# KiCad board UA4EFI.kicad_pcb (continued)
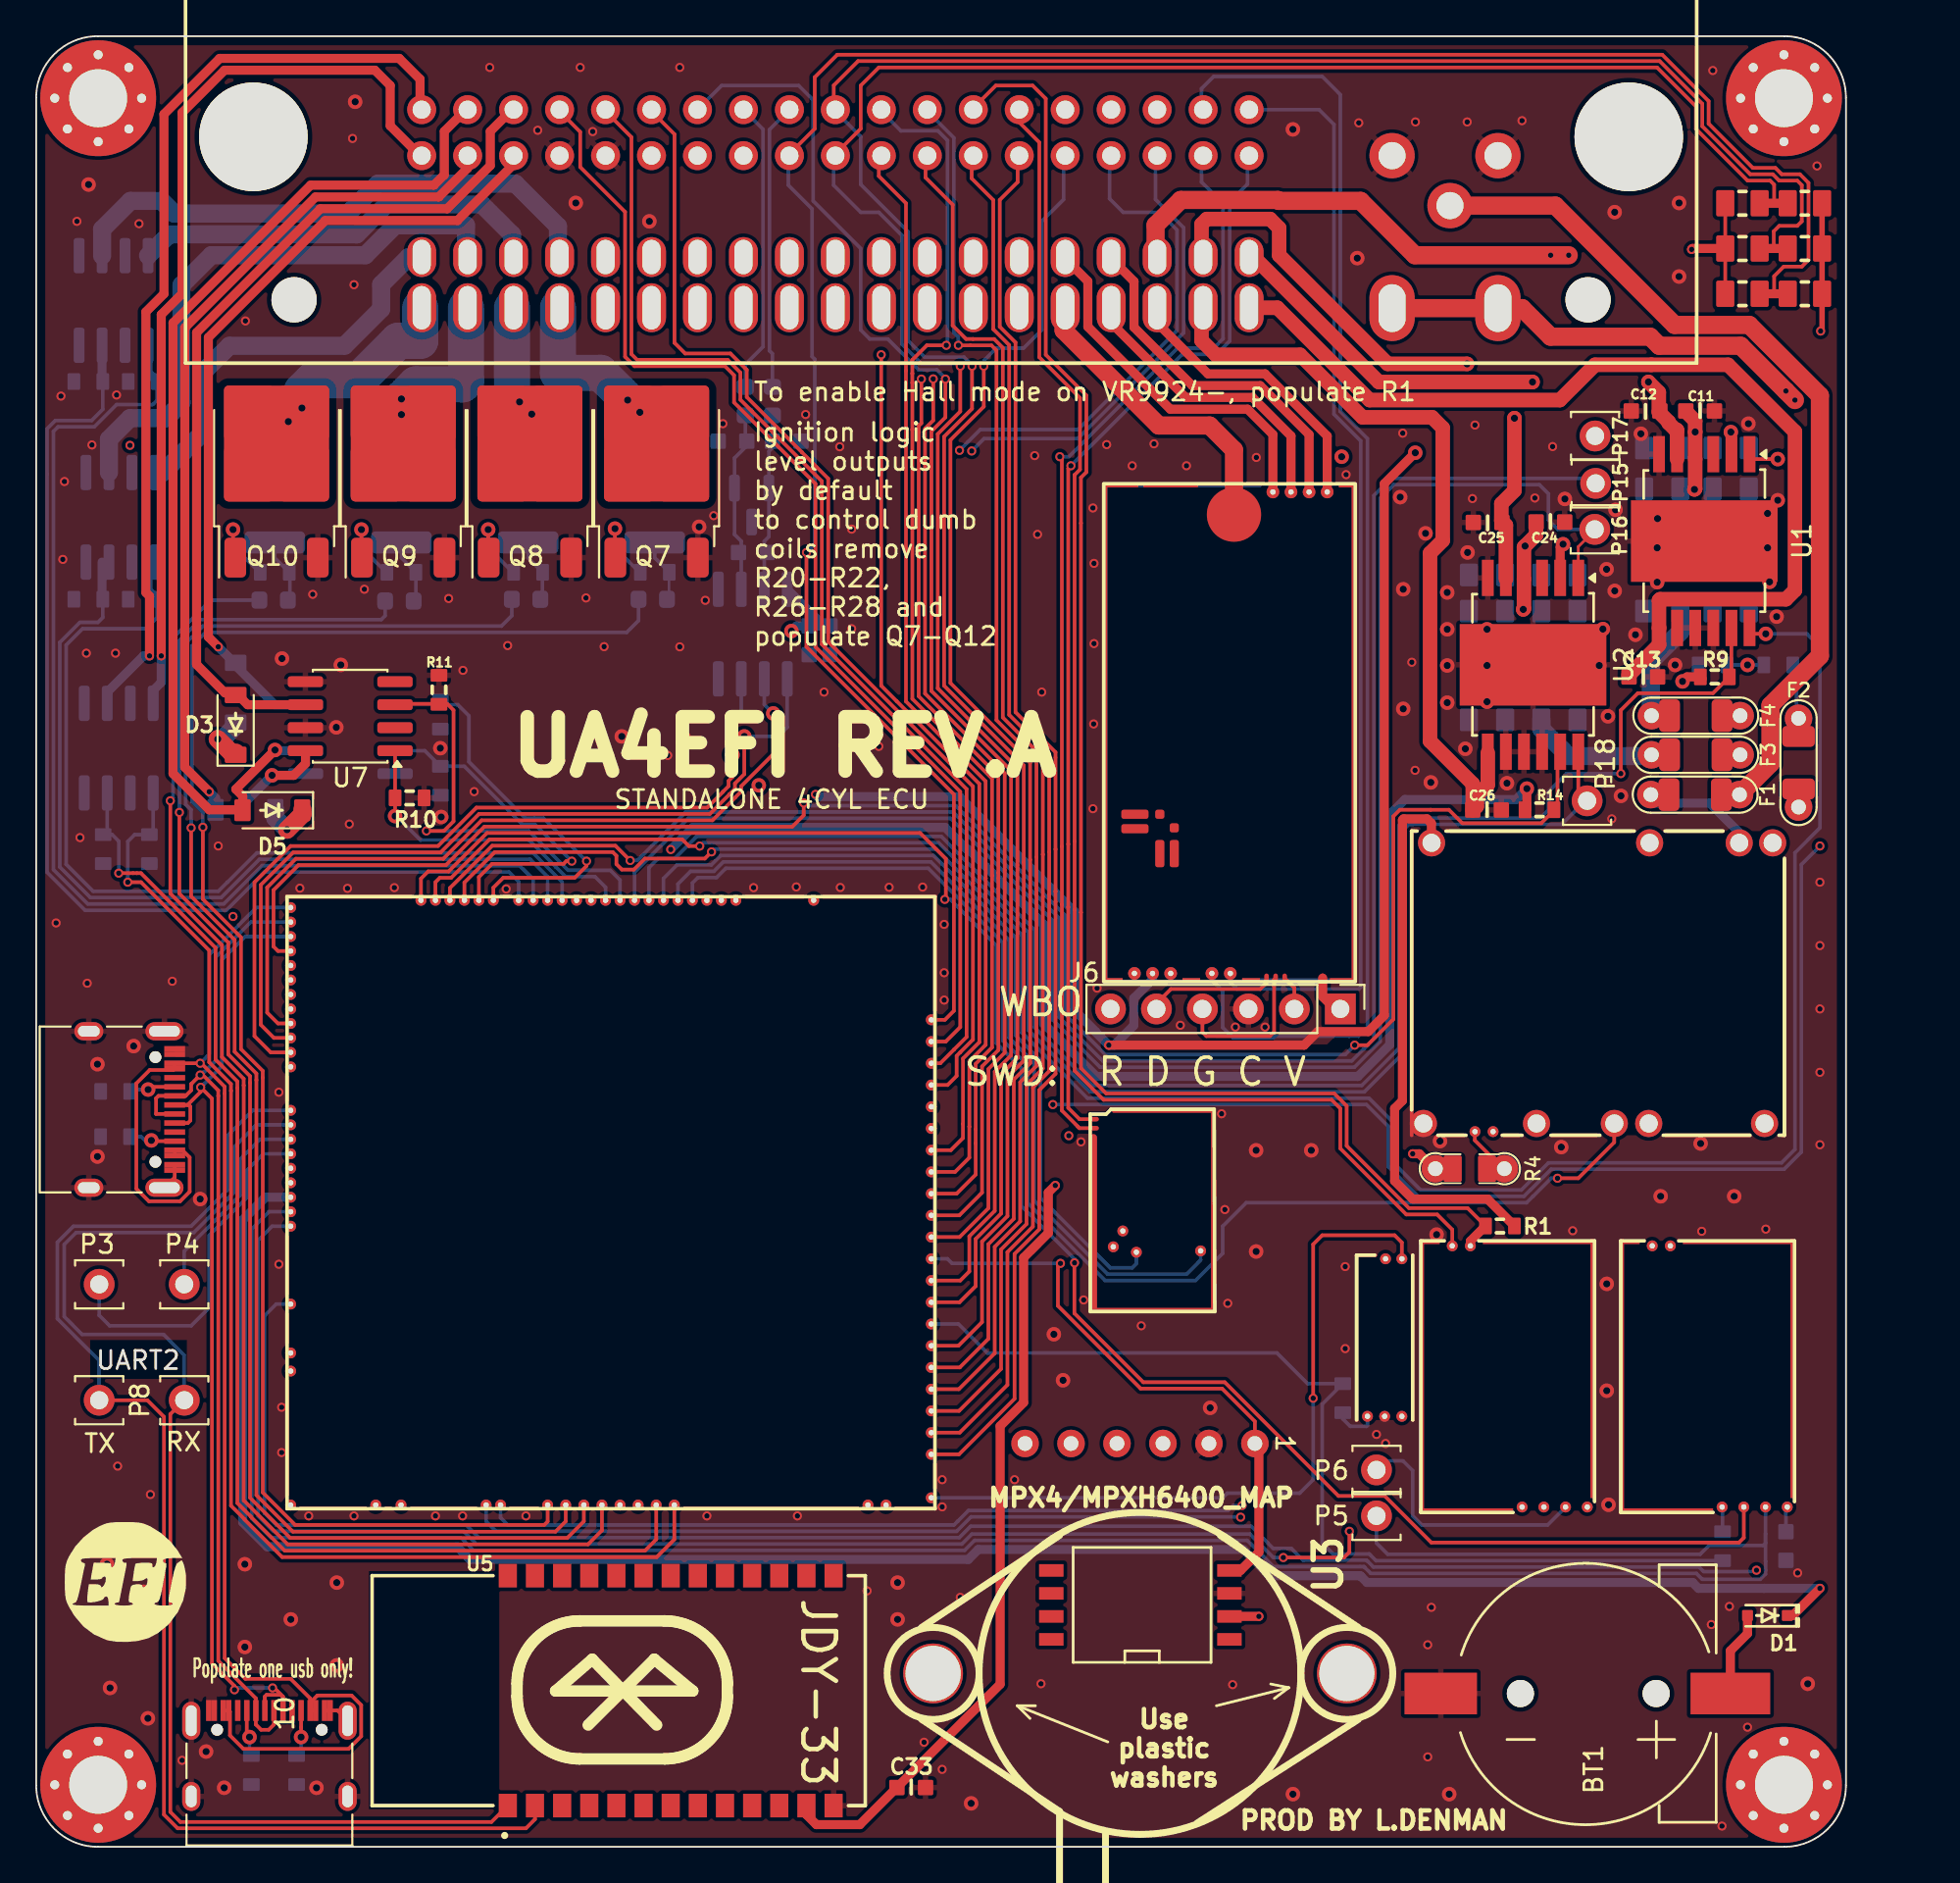
[diagram p0: board, top side]
## Footprints (pads in the part's own frame, mm; a bottom-side part is the same pattern mirrored in y, then rotated) (continued)
  rect 14.275x0.25 smd far side: G(7.162,9.6)
  rect 15.1x0.25 smd: G(7.575,0.15) G(7.575,0.15) G(7.575,0.15)
  rect 15.1x0.25 smd far side: G(7.575,0.15)
  rect 0.25x5.175 smd: G(15,2.612) G(15,2.612) G(15,2.612)
  rect 0.25x5.175 smd far side: G(15,2.612)
wbo
  round 0.7 hole 0.3: E1(27.15,1.65) E2(27.15,4.65) E3(27.15,3.65) E4(27.15,2.65) W1(0.559,11.3) W2(0.559,10.3) W3(0.559,7.004) W4(0.559,8.02) W9(0.559,12.3)
  round 3 smd: E5(25.9,6.8)
  rect 0.25x3 smd: E6(27.525,10.3)
  rect 0.25x1.1 smd: G(0.175,13.5) G(0.175,13.5) G(0.175,13.5) G(0.175,13.5) G(0.175,13.5)
  rect 0.25x1.1 smd far side: G(0.175,13.5)
  rect 0.25x0.98 smd: G(0.175,9.16) G(0.175,9.16) G(0.175,9.16) G(0.175,5.86)
  rect 0.25x0.98 smd far side: G(0.175,9.16)
  rect 0.25x6.3 smd far side: G(0.175,3.2)
  rect 0.25x6.3 smd: G(0.175,3.2) G(0.175,3.2)
  rect 0.25x1.45 smd: G(0.175,0.775)
  rect 27.6x0.25 smd: G(13.85,13.925) G(13.85,13.925) G(13.85,13.925) G(13.85,0.175) G(13.85,0.175) G(13.85,0.175)
  rect 27.6x0.25 smd far side: G(13.85,13.925) G(13.85,0.175)
  rect 0.25x1.95 smd: G(27.525,13.075)
  rect 0.25x8.75 smd far side: G(27.525,9.675)
  rect 0.25x8.75 smd: G(27.525,9.675) G(27.525,9.675)
  rect 0.25x0.95 smd: G(27.525,0.525) G(27.525,0.525) G(27.525,0.525)
  rect 0.25x0.95 smd far side: G(27.525,0.525)
  rrect 0.5x1.5 smd: J1(9.35,12.275) J_GND1(8.55,12.275)
  rrect 1.5x0.5 smd: J2(7.175,10.1) J_VCC2(7.175,10.9)
  rrect 0.5x0.5 smd: J_GND2(8.6,10.1) J_VCC1(9.35,10.9)
  rrect 0.5x0.25 smd: W5(0.3,5) W6(0.3,4.5) W7(0.3,4) W8(0.3,1.9)

## Nets
+3.3V: M8.N21 R9.2 R14.2 U1.2 U2.2
+3.3VA: C31.2 C32.2 C33.2 J7.10 J7.11 J7.12 M7.V2 M8.N15 U4.4 U5.12
+5V: M8.N22 Mr1.E4
+5VA: C27.2 M2.E1 M3.E4 M4.E4 M5.W1 M7.V1 M8.E1 M8.W2 R38.2 R39.2 R40.2 U3.3
+5VP: J7.13 J7.14 J7.15 J7.16 Mr1.V4 R1.1
+12V: F2.1 F3.1 F4.1 J7.4 J7.5 R2.2
+12V_RAW: D2.1 D3.1 D4.1 D5.1 F2.2 J7.17 J7.18 J7.19 J7.41 Mr1.V1 Mr1.V3
/12V_KEY: F1.1 J7.3
/VBAT: D1.1 M8.N17 Mr1.E1
/VBUS: J9.A4 J9.A9 J9.B4 J9.B9 J9#2.A4 J9#2.A9 J9#2.B4 J9#2.B9 M8.N1
GND: BT1.2 C1.1 C2.1 C3.1 C4.1 C5.1 C6.1 C7.1 C8.1 C9.1 C10.1 C11.1 C12.1 C13.1 C14.1 C15.1 C16.1 C17.1 C18.1 C19.1 C20.1 C21.1 C22.1 C23.1 C24.1 C25.1 C26.1 C27.1 C28.1 C30.1 C31.1 C32.1 C33.1 D6.3 J6.3 J7.1 J7.2 J7.47 J7.48 J9.A1 J9.A12 J9.B1 J9.B12 J9.S1 J9#2.A1 J9#2.A12 J9#2.B1 J9#2.B12 J9#2.S1 M2.E2 M3.G M4.G M5.E6 M5.G M7.E1 M8.G Mr1.S1 Q7.3 Q8.3 Q9.3 Q10.3 R3.1 R7.1 R7#2.1 R8.1 R8#2.1 R10.1 R11.1 R12.1 R13.1 R15.2 R16.2 R29.1 R30.1 R31.1 R32.1 U1.6 U1.8 U1.9 U1.10 U1.13 U2.6 U2.8 U2.9 U2.10 U2.13 U3.2 U4.1 U5.13 U6.5 U6.7 U7.5 U7.7 U8.5 U8.7 U9.5 U9.7 U10.5 U10.7
GNDA: J7.29 J7.30 J7.31 J7.32 J7.33 J7.34 J7.35 J7.36 J7.37 J7.38 M8.W1 R35.1 R36.1 R37.1
/ADC3: M8.S15 R5.2 R6.2
/CAN2_RX: M7.V6 M8.E6
/CAN2_TX: M7.V5 M8.E7
/CAN+: J7.80 M5.W4 M8.W11
/CAN-: J7.81 M5.W3 M8.W12
/DC1_DIR: M8.E21 P15.1 U1.1
/DC1_DIS: M8.E8 R9.1 U1.11
/DC1_PWM: M8.E20 P17.1 U1.12
/DC2_DIR: M8.E9 P16.1 U2.1
/DC2_DIS: M8.N4 R14.1 U2.11
/DC2_PWM: M8.E22 P18.1 U2.12
/DC Driver 1/PWR: C1.2 C2.2 C3.2 C4.2 C5.2 C6.2 C7.2 C8.2 C9.2 C10.2 C11.2 F4.2 U1.4
/DC Driver 2/PWR: C14.2 C15.2 C16.2 C17.2 C18.2 C19.2 C20.2 C21.2 C22.2 C23.2 C24.2 F3.2 U2.4
/EGT+: J7.71 L1.1
/EGT-: J7.70 L2.1
/EGT/SPI_CS: M8.N9 U4.6
/IGN1: F6.2 M8.W10
/IGN2: F5.2 M8.W9
/IGN3: F7.2 M8.W8
/IGN4: F8.2 M8.W7
/IN_AUX1: J7.51 M8.S11
/IN_AUX2: J7.50 M8.S10
/IN_AUX3: J7.49 M8.S7
/IN_BUTTON1: J7.53 M8.S14 R35.2 R38.1
/IN_BUTTON2: J7.72 M8.S16 R36.2 R39.1
/IN_BUTTON3: J7.52 M8.S1 R37.2 R40.1
/IN_CLT: J7.57 M8.S21
/IN_FLEX: J7.58 M8.S17
/IN_HALL1: J7.68 M8.S4
/IN_HALL2: J7.67 M8.S3
/IN_HALL3: J7.66 M8.S2
/IN_IAT: J7.56 M8.S20
/IN_KNOCK: M2.E3 R6.1
/IN_KNOCK_RAW: J7.79 M2.W1
/IN_MAP: J7.69 M8.S13
/IN_PPS1: J7.55 M8.S19
/IN_PPS2: J7.54 M8.S8
/IN_TPS1: J7.74 M8.S18
/IN_TPS2: J7.73 M8.S9
/IN_VIGN: F1.2 Mr1.V2
/IN_VMAIN: M8.S6 R2.1 R3.2
/INJ1: M8.E17 R29.2 U10.3
/INJ2: M8.E16 R30.2 U10.1
/INJ3: M8.E15 R31.2 U9.3
/INJ4: M8.E14 R32.2 U9.1
/INTERNAL_MAP: M8.S12 U3.1
/LS1: M8.E11 R10.2 U7.1
/LS2: M8.E10 R11.2 U7.3
/LS3: M8.E18 R12.2 U8.1
/LS4: M8.E19 R13.2 U8.3
/LS_HOT1: M8.W4 R16.1 U6.3
/LS_HOT2: M8.W3 R15.1 U6.1
/MISO3: M8.N11 U4.7
/MODULE_CAN_H: J7.61 M7.S2
/MODULE_CAN_L: J7.62 M7.S1
/OUT_DC1+: C13.2 J7.24 U1.7
/OUT_DC1-: C12.2 J7.43 U1.5
/OUT_DC2+: C26.2 J7.23 U2.7
/OUT_DC2-: C25.2 J7.42 U2.5
/OUT_IGN1: J7.9 Q7.2 R20.2
/OUT_IGN2: J7.8 Q8.2 R21.2
/OUT_IGN3: J7.7 Q9.2 R22.2
/OUT_IGN4: J7.6 Q10.2 R26.2
/OUT_INJ1: J7.28 U10.6
/OUT_INJ2: J7.27 U10.8
/OUT_INJ3: J7.26 U9.6
/OUT_INJ4: J7.25 U9.8
/OUT_LS1: D2.2 J7.45 U7.8
/OUT_LS2: D3.2 J7.65 U7.6
/OUT_LS3: D4.2 J7.46 U8.8
/OUT_LS4: D5.2 J7.64 U8.6
/OUT_LS_HOT1: J7.63 U6.6
/OUT_LS_HOT2: J7.44 U6.8
/PG_5VP: M8.N12 R4.2
/PWR_EN: M8.N20 Mr1.E5
/SCK3: M8.N10 U4.5
/UART2_RX: J7.59 M8.N14 P7.1 U5.1
/UART2_TX: J7.60 M8.N13 P8.1 U5.2
/USB+: J9.A6 J9.B6 J9#2.A6 J9#2.B6 M8.N3
/USB-: J9.A7 J9.B7 J9#2.A7 J9#2.B7 M8.N2
/VIGN: M8.E5 Mr1.E3
/VR_DISCRETE: M3.E3 M8.N18 P5.1
/VR_DISCRETE+: J7.78 M3.W2
/VR_DISCRETE-: J7.77 M3.W1
/VR_DISCRETE_A: M3.E2 R5.1
/VR_DISCRETE_THR: M3.E1 M8.E23
/VR_MAX9924: M4.E3 M8.N19 P6.1
/VR_MAX9924+: J7.76 M4.W2
/VR_MAX9924-: J7.75 M4.W1 R1.2
/VREF1: M2.W2 M8.S22
/WBO_Heater: J7.20 M5.E5
/WBO_Ip: J7.21 M5.E3
/WBO_Rtrim: J7.40 M5.E4
/WBO_Un: J7.22 M5.E1
/WBO_Vm: J7.39 M5.E2
Net-(BT1-+): BT1.1 D1.2
Net-(F5-Pad1): F5.1 R18.2 R21.1
Net-(F6-Pad1): F6.1 R17.2 R20.1
Net-(F7-Pad1): F7.1 R19.2 R22.1
Net-(F8-Pad1): F8.1 R23.2 R26.1
Net-(J6-Pin_1): J6.1 M5.W8
Net-(J6-Pin_2): J6.2 M5.W7
Net-(J6-Pin_4): J6.4 M5.W6
Net-(J6-Pin_5): J6.5 M5.W5
Net-(J9-CC1): J9.A5 J9#2.A5 R7.2 R7#2.2
Net-(J9-CC2): J9.B5 J9#2.B5 R8.2 R8#2.2
Net-(M5-PULL_DOWN1): M5.J1 M5.J_GND1
Net-(M8-LED_GREEN): M8.N14a P4.1
Net-(M8-LED_YELLOW): M8.N14b P3.1
Net-(Mr1-PG_5VP): Mr1.E6 R4.1
Net-(Q7-G): Q7.1 R17.1
Net-(Q8-G): Q8.1 R18.1
Net-(Q9-G): Q9.1 R19.1
Net-(Q10-G): Q10.1 R23.1
Net-(U4-T+): C29.2 C30.2 D6.2 L1.2 U4.3
Net-(U4-T-): C28.2 C29.1 D6.1 L2.2 U4.2

Pads without a net: H1 1; H2 1; H3 1; H4 1; J6 6; J9 A8 B8; J9#2 A8 B8; M4 E1 E2; M5 J2 J_GND2 J_VCC1 J_VCC2 W2 W9; M8 E2 E3 E4 E12 E13 N5 N6 N7 N8 N16 N23 S5 W5 W6 W13 W14; Mr1 E2; U1 3; U2 3; U3 0 4 5 6; U4 8; U5 3 4 5 6 7 8 9 10 11 14 15 16 17 18 19 20 21 22 23 24 25 26; U6 2 4; U7 2 4; U8 2 4; U9 2 4; U10 2 4

## Via types
v1: diameter 0.5, hole 0.3, Top to Bottom, 202 vias
v2: diameter 0.8, hole 0.4, Top to Bottom, 131 vias

## Routing (per net, layer and track width the routed paths; a pad name or vN(x,y) marks a point on that pad's centre or on a via; arc(x,y) is an arc through that point)
+3.3V: length 162.9
  Top w0.5: 82.27,57.24 82.37,57.34 v2(82.37,58.44) ; v2(93.64,78.14) 93.67,78.11 93.67,76.64 ; v2(84.37,71.94) 84.21,71.78 84.21,70.02 ; 92.06,64.51 R9.2 91.22,64.62 v2(90.97,64.37)
  In2.Cu w0.5: v1(35.06,55.08) 35.02,55.12 28.83,55.12 27.83,54.12 23.05,54.12 22.58,53.65 22.04,53.65 14.19,53.65 14.07,53.78 11.98,53.78 11.56,53.35 11.56,29.17 13.46,27.27 M8.N21 ; 83.77,63.94 90.55,63.94 v2(90.97,64.37) ; 83.77,63.94 83.77,59.84 v2(82.37,58.44) ; 83.77,63.94 83.77,71.34 v2(84.37,71.94) 84.97,71.34 86.62,71.34 87.42,72.14 87.42,72.62 92.93,78.14 v2(93.64,78.14)
  Bottom w0.5: v2(82.37,58.44) 81.77,57.84 75.63,57.84 74.79,57.01 74.79,44.3 73.04,42.55 58.59,42.55 55.67,45.47 55.67,50.94 51.54,55.07 51.46,55.07 50.22,56.3 36.28,56.3 v1(35.06,55.08)
+3.3VA: length 172.2
  Top w0.5: v1(56.31,36.53) 55.92,36.14 55.92,33.9 54.56,32.54 54.56,24.54 53.26,23.24 53.26,8.98 C33.2 45.51,1.22 43.11,1.22 42.56,1.78 U5.12
  In1.Cu w0.5: M8.N15 13.64,37.47 12.06,39.05 12.06,43.73 10.91,44.88 10.91,50.43 10.22,51.11 10.22,51.94 12.56,54.28 24.56,54.28 26.56,56.28 29.43,56.28 31.78,58.63 v2(39.93,58.63) 40.08,58.78 46.06,58.78 52.06,52.78 52.06,40.78 58.82,34.01 M7.V2
  In2.Cu w0.5: v2(39.93,58.63) 39.93,65.34 v2(41.73,67.15) 41.73,78.1 36.45,83.38 36.45,84.91 J7.12
  In2.Cu w2: J7.12 31.37,85
  Bottom w0.2: C31.2 42.71,68.24 U4.4
  Bottom w0.5: U4.4 43.53,67.43 C32.2 C31.2 42.01,67.43 v2(41.73,67.15)
+5V: length 131.7
  In2.Cu w0.5: M8.N22 13.46,26.28 12.56,25.38 12.56,18.28 13.56,17.28 45.56,17.28 46.06,16.78 72.98,16.78 73.83,15.93 96.29,15.93 97.91,17.54 97.91,35.51 95.64,37.78 83.56,37.78 82.89,38.45 82.89,39.96
+5VA: length 226.4
  Top w0.3: R38.2 R40.2 98.68,83.8 v1(98.6,83.72)
  Top w0.5: v1(59.27,44.28) 70.06,44.28 70.81,45.02 73.6,45.02 74.49,45.91 74.49,75.29 v2(76.2,77) ; v1(67.56,12.72) U3.3
  In1.Cu w0.5: 61.06,31.78 62.06,31.78 ; 61.06,31.78 60.56,31.78 59.52,32.82 M7.V1 ; 61.06,31.78 61.56,32.28 ; 62.06,31.78 61.56,32.28 ; 62.06,31.78 62.26,31.58 U3.3 62.94,22.28 63.06,22.16 63.06,17.78 63.56,17.28 ; 77.06,16.78 76.06,16.78 ; 77.06,16.78 82.05,16.78 82.55,17.28 84.22,17.28 ; 77.06,16.78 76.31,17.53 ; 76.06,16.78 73.56,16.78 73.55,16.77 73.07,16.77 72.93,16.62 71.41,16.62 71.41,16.63 64.06,16.63 ; 76.06,16.78 76.31,17.03 76.31,17.53 ; 63.06,16.63 64.06,16.63 ; 63.06,16.63 63.56,17.13 ; 63.06,16.63 46.71,16.63 45.96,17.38 M8.W2 ; 64.06,16.63 63.56,17.13 ; 63.56,17.28 63.56,17.13 ; 63.56,17.28 63.56,16.63 ; M3.E4 96.76,17.28 85.56,17.28 ; 85.06,17.28 85.06,17.78 84.89,17.95 ; 85.06,17.28 85.56,17.28 ; 85.06,17.28 84.22,17.28 ; 84.22,17.28 84.89,17.95 ; 69.56,16.63 69.56,14.28 68.01,12.72 v1(67.56,12.72) ; v2(76.2,77) 80.92,77 86.2,82.28 97.16,82.28 v1(98.6,83.72) ; 61.56,32.28 61.56,41.98 v1(59.27,44.27) ; 84.89,17.95 M4.E4 ; 84.89,17.95 85.56,17.28 ; 76.31,17.53 75.56,18.28 75.56,22.28 75.46,22.38 M2.E1 ; v1(43.06,58.12) 42.96,58.03 43.06,57.92 43.06,57.38 42.96,57.28 M8.E1
  Bottom w0.2: C27.2 96.68,18.69 M3.E4
  Bottom w0.5: 61.69,48.18 M5.W1 61.69,47.9 60.65,46.86 60.65,45.36 59.56,44.27 v1(59.27,44.27) 58.54,45 58.54,45.02 57.37,46.2 57.37,51.65 51.01,58.01 43.18,58.01 v1(43.06,58.12)
+5VP: length 94.3
  Top w0.5: R1.1 80.19,35.78 76.06,35.78 75.06,36.78 75.06,40.78 75.49,41.21 75.49,56.71 75.56,56.78 76.85,56.78 77.09,56.53 77.09,55.47
  In1.Cu w1: v2(72.14,76.78) 68.74,80.17 68.73,80.16 47.66,80.16 44.07,83.75 44.07,85
  In2.Cu w1: v2(72.14,76.78) 73.14,76.78 74.06,75.86 74.06,60.28 77.06,57.28 77.06,55.5 77.09,55.47
  In2.Cu w2: 46.61,85 38.99,85
+12V: length 50.9
  Top w1: v1(97.18,79.9) v1(96.68,80.4) 94.18,82.9 89.68,82.9 89.18,83.4 83.68,83.4 82.1,84.98 74.83,84.98
  In2.Cu w1: 94.12,60.24 94.12,62.44 97.12,62.44 97.27,62.29 97.68,62.71 97.68,79.4 v1(97.18,79.9)
  Bottom w0.2: 97.27,62.29 97.27,64.04 97.06,64.25 R2.2
+12V_RAW: length 198.6
  Top w1: v2(13.86,56.18) 14.71,57.03 14.71,57.28 ; 61.85,87.8 61.85,89.57 63.24,90.95 68.62,90.95 68.67,90.9 73.18,90.9 76.18,87.9 v1(84.68,87.9) ; v2(10.03,61.18) 10.78,60.43 11.03,60.43
  In2.Cu w0.5: 89.14,55.47 89.14,55.46 Mr1.V3
  In2.Cu w0.8: Mr1.V3 89.15,56.07 89.83,56.75 94.65,56.75 Mr1.V1
  In2.Cu w1: v2(10.03,61.18) 10.03,60 v2(13.86,56.18) 14.83,55.21 21.93,55.21 22.5,55.78 27.29,55.78 28.29,56.78 31.56,56.78 32.06,57.28 32.06,57.43 40.21,57.43 42.06,59.28 50.06,59.28 53.56,62.78 53.56,79.28 54.56,80.28 75.43,80.28 78.06,82.91 78.06,86.78 79.19,87.9 v1(83.68,87.9) v1(84.68,87.9) 86.68,87.9 90.56,84.03 94.69,84.03 98.98,79.73 98.98,59.71 97.27,57.99 97.27,57.39 95.95,56.08 Mr1.V1 ; 53.6,84.47 53.06,85
  In2.Cu w1.5: 54.23,85 54.23,79.95 53.56,79.28
  In2.Cu w2: 54.23,85 49.15,85
  Bottom w1: v2(13.86,56.18) 13.21,56.83 D2.1 ; 10.03,61.19 10.29,61.19 11.03,61.93
/12V_KEY: length 48.8
  Top w1: 78.03,90.64 83.94,90.64 90.53,84.05 94.66,84.05 98.56,80.15 98.56,65.78 95.83,63.04 95.83,59.82 F1.1
/VBAT: length 138.4
  Top w0.5: D1.1 97.06,12.78 v1(98.56,14.28)
  In2.Cu w0.5: v1(98.56,14.28) 98.56,35.78 95.49,38.84 95.49,39.97
  Bottom w0.5: M8.N17 12.66,35.87 11.41,34.63 11.41,17.92 12.76,16.57 23.26,16.57 23.97,15.87 51.5,15.87 52.06,16.42 66.7,16.42 68.15,14.97 73.16,14.97 73.21,14.92 73.21,14.92 73.53,14.6 91.53,14.6 91.85,14.27 95.47,14.27 95.47,14.28 v1(98.56,14.28)
/VBUS: length 83.4
  Top w0.2: 10.34,7.53 10.64,7.53 10.71,7.46 10.71,6.15 11.45,5.41 17.26,5.41 17.96,6.1 17.96,7.83 17.43,8.36 15.54,8.36 15.14,7.96 15.14,7.53 15.44,7.53 ; J9.B4 15.14,8.2 14.06,9.28 11.56,9.28 10.41,10.42 10.41,41.61 10.41,41.62 10.41,41.98 9.12,43.28 v1(9.06,43.28) 8.08,43.28 8.08,43.27 7.65,43.27 7.65,42.97 7.58,42.9 6.28,42.9 5.53,42.16 5.53,36.35 6.23,35.65 7.95,35.65 8.48,36.18 8.48,38.07 8.08,38.47 7.65,38.47 7.65,38.17
  Bottom w0.2: M8.N1 12.16,51.88 9.56,49.28 9.56,43.78 v1(9.06,43.28)
GND: length 3
  Top w0.2: 7.09,36.4 7.65,36.97 7.65,37.67 ; 17.21,6.96 16.64,7.53 15.94,7.53
  vias: v1(1.1,51.03) v1(1.37,80.12) v1(1.47,71.11) v1(1.56,75.41) v1(2.25,89.78) v1(2.42,55.74) v1(2.77,65.93) v1(2.82,47.7) v1(3.08,77.43) v1(4.38,65.93) v1(4.44,80.19) v1(4.5,21.03) v1(5.68,89.65) v1(6.31,19.46) v1(7.52,47.81) v1(8.06,4.78) v1(10.06,55.28) v1(11.56,84.28) v1(13.41,41.67) v1(13.41,32.17) v1(13.56,24.28) v1(13.56,21.78) v1(14.57,52.95) v1(15.06,18.28) v1(15.28,69.18) v1(17.2,52.94) v1(17.3,56.48) v1(17.48,94.36) v1(17.56,86.28) v1(17.56,18.28) v1(18.13,69.46) v1(19.79,52.98) v1(22.06,18.28) v1(22.79,68.95) v1(23.58,64.98) v1(23.56,18.28) v1(24.2,58.28) v1(25.06,98.28) v1(25.97,52.9) v1(26.05,66.34) v1(27.06,18.28) v1(27.71,94.81) v1(30.06,98.28) v1(30.38,68.98) v1(30.75,94.74) v1(31.38,66.29) v1(34.9,60.28) v1(35.56,98.28) v1(35.56,66.28) v1(35.91,61.33) v1(36.97,68.84) v1(37.06,18.28) v1(37.44,73.52) v1(37.94,78.6) v1(39.64,52.98) v1(42,53.02) v1(42.06,18.28) v1(42.52,79.11) v1(43.53,63.78) v1(44.4,77.33) v1(44.43,52.98) v1(45.06,72.78) v1(45.06,67.28) v1(45.91,14.13) v1(46.56,60.78) v1(47.13,53) v1(48.98,53.01) v1(49.06,5.78) v1(50.06,20.28) v1(50.06,18.78) v1(50.06,4.28) v1(50.17,50.95) v1(50.17,48.28) v1(50.17,46.77) v1(51.06,13.78) v1(54.06,20.28) v1(55.17,76.84) v1(55.33,72.48) v1(55.56,63.78) v1(55.52,9) v1(57.73,38.94) v1(57.88,30.2) v1(58.39,73.95) v1(58.39,57.34) v1(58.45,70.89) v1(58.45,66.46) v1(58.43,62.02) v1(58.62,47.43) v1(59.15,77.45) v1(60.56,76.28) v1(61.06,28.78) v1(61.77,77.49) v1(63.22,45.38) v1(63.56,76.28) v1(65.5,40.48) v1(65.68,35.2) v1(65.84,30.02) v1(66.11,8.96) v1(66.26,45.28) v1(67.42,76.73) v1(67.9,45.28) v1(72.38,75.79) v1(72.33,32.05) v1(72.33,27.52) v1(73.08,95.22) v1(74.06,22.78) v1(74.56,22.28) v1(75.51,78.08) v1(76.01,65.43) v1(76.19,59.46) v1(76.21,95.27) v1(76.89,11.16) v1(76.89,4.97) v1(77.09,13.22) v1(79.07,95.27) v1(79.36,74.47) v1(79.5,78.53) v1(82.1,95.34) v1(82.81,74.5) v1(83.79,77.34) v1(84.9,34.03) v1(87.06,56.78) v1(92.03,34) v1(92.56,12.28) v1(92.64,98.11) v1(93.15,1.15) v1(93.56,13.28) v1(94.56,6.61) v1(95.57,34.12) v1(97.33,15.12) v1(98.4,92.84) v1(98.56,53.28) v1(98.56,49.78) v1(98.56,46.28) v1(98.56,42.78) v1(98.56,38.78) v2(2.89,91.81) v2(3.38,43.22) v2(3.38,38.12) v2(3.91,15.61) v2(4.08,8.78) v2(5.38,44.22) v2(5.94,14.08) v2(6.17,7.09) v2(9.06,35.78) v2(9.39,5.26) v2(10.39,3.26) v2(11.53,15.61) v2(11.53,11.03) v2(13.58,65.63) v2(14.07,12.56) v2(15.49,3.26) v2(16.58,61.83) v2(16.61,14.59) v2(16.61,10.02) v2(16.83,65.28) v2(17.62,96.38) v2(22.33,60.68) v2(22.38,56.88) v2(29.82,90.79) v2(32.36,61.33) v2(33.88,89.78) v2(36.63,72.9) v2(47.6,14.59) v2(47.6,12.56) v2(51.66,2.4) v2(56.23,28.31) v2(56.74,25.77) v2(64.87,24.24) v2(67.41,38.47) v2(67.41,32.88) v2(69.44,94.86) v2(69.44,2.91) v2(70.46,38.47) v2(73,87.74) v2(75.37,74.54) v2(75.54,69.46) v2(75.54,62.85) v2(76.77,72.54) v2(77.06,58.79) v2(77.38,33.81) v2(77.57,38.98) v2(77.97,69.28) v2(77.97,67.24) v2(77.97,65.24) v2(77.97,63.19) v2(78.08,2.91) v2(78.97,60.64) v2(79.09,71.49) v2(80.17,67.24) v2(80.17,65.24) v2(80.17,63.24) v2(81.27,58.74) v2(84.27,38.64) v2(84.47,74.44) v2(86.37,65.24) v2(86.57,67.26) v2(86.77,70.56) v2(86.78,31.09) v2(86.78,25.19) v2(86.85,62.44) v2(86.88,18.89) v2(87.22,90.28) v2(87.27,73.84) v2(87.22,69.37) v2(87.57,58.04) v2(88.37,66.94) v2(88.67,78.04) v2(89.59,73.36) v2(89.57,71.74) v2(89.57,69.84) v2(89.76,35.93) v2(90.56,65.28) v2(90.78,90.79) v2(90.78,86.73) v2(91.97,38.84) v2(93.82,35.93) v2(94.61,78.6) v2(95.67,73.64) v2(95.67,71.74) v2(95.78,69.86) v2(96.17,67.94) v2(96.23,74.37) v2(97.89,9)
GNDA: length 155.7
  Top w0.2: R35.1 R37.1
  Top w0.5: R36.1 91.52,88.28 v1(91.47,88.23)
  In1.Cu w0.5: v1(57.06,39.28) 57.06,41.28 57.56,41.78 57.56,72.28 52.06,77.78 46.51,77.78 42.88,81.4 42.88,86.45 41.53,87.8
  In2.Cu w0.5: M8.W1 46.96,17.82 47.36,17.43 49.71,17.43 51.56,19.28 51.56,22.78 53.56,24.78 53.56,30.28 57.06,33.78 v1(57.06,39.28) ; v1(91.47,88.23) 90.89,88.8 74.49,88.8 73.83,89.47 55.89,89.47 54.23,87.8
  In2.Cu w2: 54.23,87.8 31.37,87.8
(no net):
  vias: v1(5.18,77.4)
/ADC3: length 55.9
  Bottom w0.2: R5.2 74.03,15.8 73.71,16.13 73.71,16.13 73.66,16.18 71.66,16.18 71.06,16.78 71.06,24.45 R6.2 70.26,25.58 68.56,27.28 52.56,27.28 50.96,28.88 M8.S15
/CAN2_RX: length 48.2
  Bottom w0.2: M8.E6 35.46,53.18 36.16,53.88 37.45,53.88 37.97,54.4 49.43,54.4 53.76,50.07 53.76,44.68 55.14,43.3 55.14,35.69 59.21,31.63 63.56,31.63 64.34,32.41 M7.V6
/CAN2_TX: length 45.6
  Bottom w0.2: M8.E7 34.66,53.48 35.41,54.23 37.3,54.23 37.82,54.74 37.82,54.75 49.58,54.75 54.11,50.22 54.11,44.83 55.49,43.44 55.49,35.83 59.35,31.98 60.56,31.98 60.79,32.21 M7.V5
/CAN+: length 147.9
  In1.Cu w0.2: M5.W4 65.06,48.14 65.06,47.71 65.54,47.23 65.54,45.28 66.71,44.12 67.72,44.12 68.56,43.28 68.56,20.78 v1(66.64,18.85)
  Bottom w0.2: M5.W4 65.06,48.14 65.06,47.78 65.56,47.28 65.56,45.26 66.14,44.67 68.36,44.67 68.46,44.78 72.56,44.78 73.06,44.78 73.56,45.28 73.56,77.78 72.06,79.28 72.06,96.78 71.06,97.78 65.06,97.78 64.39,97.11 64.39,95.94 ; M8.W11 25.66,18.17 26.06,17.78 50.71,17.78 50.91,17.97 51.51,18.57 65.86,18.57 66.14,18.85 v1(66.64,18.85)
/CAN-: length 137.7
  In1.Cu w0.2: v1(66.55,18.2) 66.7,18.2 68.91,20.42 68.91,43.42 68.42,43.91 68.42,46.92 67.86,47.48 66.25,47.48 65.98,47.74 M5.W3
  Bottom w0.2: 66.93,95.94 70.89,95.94 71.71,95.13 71.71,79.13 73.19,77.65 73.19,47.48 73.09,47.38 66.35,47.38 65.98,47.74 M5.W3 ; v1(66.55,18.2) 66.53,18.22 51.66,18.22 50.86,17.42 25.41,17.42 24.86,17.97 M8.W12
/DC1_DIR: length 126.3
  Top w0.2: 94.67,76.64 v2(96.23,76.64) ; M8.E21 22.86,52.95 25.2,55.29 32,55.29 v1(32.82,54.47)
  In2.Cu w0.2: v2(96.23,76.64) 95.97,76.91 95.97,78.87 95.56,79.28 95.56,79.28 94.71,80.13 86.41,80.13 84.81,78.53 84.81,76.66 P15.1
  Bottom w0.2: P15.1 85.89,75.58 74.86,75.58 73.91,74.63 73.91,44.63 73.35,44.07 73.35,44.07 72.69,43.41 58.93,43.41 56.52,45.82 56.52,51.3 50.66,57.15 35.89,57.15 35.06,56.32 34.76,56.03 34.76,56.03 33.21,54.47 v1(32.82,54.47)
/DC1_DIS: length 93
  Top w0.2: v1(87.56,59.28) 87.56,62.78 88.5,63.72 92.65,63.72 R9.1 ; 93.66,64.28 93.67,64.28 93.67,67.04
  Bottom w0.2: M8.E8 33.86,54.08 34.37,54.58 35.27,54.58 36.49,55.8 50.02,55.8 55.16,50.65 55.16,45.26 58.38,42.05 73.25,42.05 75.29,44.09 75.29,56.41 75.7,56.82 76.21,56.82 83.11,56.82 83.56,57.28 83.56,58.28 84.56,59.28 v1(87.56,59.28)
/DC1_PWM: length 146.8
  Top w0.2: 94.67,67.04 94.72,66.99 v2(95.57,66.99) ; v1(37.31,54.95) 36.95,54.58 33.64,54.58 33.03,53.97 32.36,53.97 32.06,54.28 32.06,54.74 31.86,54.94 25.34,54.94 23.66,53.26 M8.E20
  In2.Cu w0.2: 86.17,77.84 86.17,78.88 87.06,79.78 94.56,79.78 95.56,78.78 95.56,76.31 96.93,74.94 96.93,67.28 96.65,66.99 v2(95.57,66.99)
  Bottom w0.2: v1(37.31,54.95) 37.46,55.1 49.73,55.1 54.46,50.36 54.46,44.97 58.09,41.35 73.65,41.35 75.06,39.93 75.06,37.71 76.5,36.28 82.06,36.28 83.56,37.78 96.44,37.78 97.18,38.52 97.18,54.9 98.56,56.28 98.56,66.28 97.84,66.99 v2(95.57,66.99)
/DC2_DIR: length 100.7
  Top w0.15: 86.17,72.76 85.21,71.8 85.21,70.02
  Bottom w0.2: M8.E9 33.06,53.83 34.91,55.68 34.91,55.68 35.41,56.18 35.41,56.18 36.04,56.8 50.51,56.8 56.17,51.15 56.17,45.68 58.79,43.06 72.84,43.06 74.26,44.48 74.26,74.48 75.01,75.23 83.06,75.23 83.56,74.73 83.56,73.28 84.07,72.76 86.17,72.76
/DC2_DIS: length 102.4
  Top w0.2: v1(72.85,44.28) 73.56,44.28 74.99,45.71 74.99,56.91 75.35,57.28 77.06,57.28 77.06,57.28 78.06,57.28 78.8,56.53 83.16,56.53 84.06,57.44 84.06,60.27 84.21,60.42 ; v1(42.41,57.65) 42.41,56.98 41.78,56.34 24.76,56.34 22.64,54.22 14.5,54.22 13.11,52.84 13.11,49.72 13.36,49.47 M8.N4
  Bottom w0.2: v1(42.41,57.65) 42.56,57.51 50.81,57.51 56.87,51.44 56.87,45.97 59.08,43.76 72.34,43.76 72.85,44.28 v1(72.85,44.28)
/DC2_PWM: length 91.3
  Top w0.2: 85.21,60.42 85.21,58.3 85.67,57.84 ; M8.E22 22.06,53.28 22.31,53.52 22.93,53.52 25.05,55.64 35.69,55.64 36.07,55.27 v1(36.66,55.27)
  Bottom w0.2: 85.67,57.84 84.29,56.47 75.85,56.47 75.64,56.26 75.64,43.95 73.39,41.7 58.23,41.7 54.81,45.12 54.81,50.51 49.87,55.45 36.84,55.45 v1(36.66,55.27)
/DC Driver 1/PWR: length 11
  Top w0.8: v2(91.63,74.97) 91.67,75.01 v2(91.67,78.14) 91.67,78.75 91.18,79.24
  Bottom w0.5: 91.63,78.1 v2(91.67,78.14)
  Bottom w1: 89.22,62.44 89.22,65.48 90.85,67.11 C10.2
/DC Driver 2/PWR: length 12.3
  Top w0.8: v2(82.17,68.34) 82.21,68.38 82.21,71.78 v2(82.27,71.84) 82.88,72.45 C24.2
  Bottom w1: C18.2 83.17,61.74 84.67,60.24 89.22,60.24
/EGT+: length 15.8
  Bottom w0.2: J7.71 40.52,94.84 40.52,82.63 40.68,82.47 L1.1
/EGT-: length 16.2
  Bottom w0.2: J7.70 40.16,94.86 40.16,82.85 39.18,81.87 L2.1
/EGT/SPI_CS: length 44
  Top w0.2: v2(40.73,62.6) 40.73,60.35 38.96,58.58 38.96,58.29 38.65,57.98 38.65,57.97 37.37,56.69 24.62,56.69 22.49,54.57 14.35,54.57 12.76,52.98 12.76,46.07 13.36,45.48 M8.N9
  Bottom w0.2: v2(40.73,62.6) 40.23,63.09 U4.6
/IGN1: length 92.3
  Top w0.2: v1(9.21,56.31) 9.21,52.34 11.32,50.23 11.32,44.06 12.52,42.85 12.52,42.49 12.52,42.49 12.52,19.57 14.31,17.78 28.07,17.78 28.26,17.96 M8.W10
  Bottom w0.2: F6.2 33.28,68.9 33.28,67.73 32.63,67.07 9.36,67.07 8.61,66.33 8.61,57.72 9.21,57.13 v1(9.21,56.31)
/IGN2: length 87.3
  Top w0.2: M8.W9 29.26,17.98 28.69,17.41 14.19,17.41 12.17,19.42 12.17,42.34 12.17,42.34 12.17,42.71 10.96,43.91 10.96,50.09 8.56,52.49 v1(8.56,56.28)
  Bottom w0.2: F5.2 26.28,68 25.71,67.42 9.21,67.42 9.06,67.28 9.06,67.28 8.26,66.48 8.26,57.57 8.56,57.28 v1(8.56,56.28)
/IGN3: length 82.4
  Top w0.2: M8.W8 30.26,17.98 29.34,17.05 14.04,17.05 11.82,19.28 11.82,42.2 11.82,42.2 11.82,42.56 10.61,43.77 10.61,49.94 7.91,52.65 v1(7.91,57.13)
  Bottom w0.2: v1(7.91,57.13) 7.91,66.62 8.92,67.63 8.92,67.63 9.07,67.77 19.06,67.77 19.28,68 F7.2
/IGN4: length 77.5
  Top w0.2: M8.W7 31.26,17.48 30.49,16.7 13.89,16.7 11.47,19.13 11.47,42.05 11.46,42.05 11.46,42.42 10.26,43.62 10.26,49.8 7.41,52.65 v1(7.41,57.78)
  Bottom w0.2: v1(7.41,57.78) 7.56,57.92 7.56,66.78 9.64,68.85 F8.2
/IN_AUX1: length 72.2
  Top w0.2: M8.S11 51.02,33.68 52.62,35.27 52.62,42.96 53.52,43.86 53.52,53.93 53.52,53.93 53.52,59.29 49.11,63.69 49.11,78.33 49.57,78.78 v1(49.57,81.07)
  In1.Cu w0.2: 38.99,93.4 38.99,93.4 38.99,91.85 39.86,90.98 45.86,90.98 47.06,89.78 47.06,89.77 48.16,88.68 48.16,83.96 49.57,82.55 v1(49.57,81.07)
/IN_AUX2: length 72.9
  Top w0.2: v1(48.91,81.06) 48.91,78.62 48.76,78.48 48.76,78.13 48.76,63.55 53.17,59.15 53.17,53.79 53.17,53.79 53.17,44 52.26,43.1 52.26,36.13 51.01,34.88 M8.S10
  In1.Cu w0.2: 36.45,93.4 36.45,91.63 37.46,90.63 45.71,90.63 46.71,89.63 46.71,89.63 47.8,88.53 47.8,83.82 48.91,82.71 v1(48.91,81.06)
/IN_AUX3: length 69.5
  Top w0.2: M8.S7 50.54,38.48 51.21,39.15 51.21,39.92 51.21,39.92 51.21,43.54 52.11,44.44 52.11,53.35 52.11,53.35 52.11,58.71 46.69,64.13 v1(46.69,82.41)
  In1.Cu w0.2: v1(46.69,82.41) 46.3,82.79 46.3,83.28 45.56,84.02 45.56,88.78 44.06,90.28 35.06,90.28 33.91,91.43 33.91,93.4 33.91,93.4
/IN_BUTTON1: length 136.1
  Top w0.15: R38.1 R35.2
  Top w0.2: v1(51.06,81.78) 51.06,79.28 49.82,78.03 49.82,63.98 54.22,59.58 54.22,54.22 54.22,54.22 54.22,43.57 53.32,42.66 53.32,34.98 51.91,33.57 51.91,30.97 51.02,30.08 M8.S14 ; 44.07,93.4 45.56,94.89 45.56,97.28 46.56,98.28 89.56,98.28 91.71,96.13 91.71,94.88 94.56,92.03 95.81,92.03 96.03,91.8 96.03,90.78
  Top w0.5: R38.1 R35.2
  Bottom w0.2: 44.07,93.4 44.06,93.39 44.06,91.78 45.56,90.28 46.56,90.28 47.83,89 47.83,83 48.91,81.93 49.92,81.93 49.92,81.92 50.91,81.92 v1(51.06,81.78)
/IN_BUTTON2: length 145
  Top w0.15: R39.1 R36.2
  Top w0.2: 96.03,88.28 96.01,88.3 96.01,89.23 96.31,89.53 97.31,89.53 97.56,89.78 97.56,91.78 97.31,92.03 96.31,92.03 95.96,92.38 94.71,92.38 92.06,95.03 92.06,96.27 89.71,98.63 45.41,98.63 44.07,97.29 44.07,95.94 ; M8.S16 50.96,27.68 52.26,28.98 52.26,33.43 53.67,34.83 53.67,42.52 54.57,43.42 54.57,54.37 54.57,54.37 54.57,59.73 50.17,64.13 50.17,77.88 51.71,79.43 v1(51.71,81.78)
  Top w0.5: R39.1 R36.2
  Bottom w0.2: v1(51.71,81.78) 51.71,81.83 51.27,82.28 49.08,82.28 48.19,83.17 48.19,89.18 45.56,91.81 45.56,94.45 44.07,95.94
/IN_BUTTON3: length 127.5
  Top w0.15: R40.1 R37.2
  Top w0.2: M8.S1 50.21,45.68 50.71,46.17 50.71,58.13 42.56,66.28 v1(42.56,71.49) ; 96.03,85.78 96.03,86.75 96.56,87.28 97.56,87.28 97.93,87.64 97.93,91.9 97.46,92.38 96.45,92.38 96.1,92.73 94.85,92.73 92.41,95.17 92.41,96.42 89.85,98.98 44.26,98.98 43.02,97.73 43.02,94.89 41.53,93.4
  Top w0.5: R40.1 R37.2
  Bottom w0.2: 41.56,93.37 41.56,91.78 42.87,90.46 42.87,82.31 43.02,82.16 43.02,71.95 v1(42.56,71.49)
/IN_CLT: length 77.2
  Top w0.2: M8.S21 50.99,21.67 54.06,24.74 54.06,32.74 55.42,34.11 55.42,41.79 56.33,42.69 56.33,52.19 56.33,55.09 56.32,55.1 56.32,60.16 56.32,60.45 54.11,62.66 54.11,83.08 53.24,83.96 53.24,90.96 54.23,91.95 54.23,93.4
/IN_FLEX: length 75.4
  Top w0.2: M8.S17 51.03,26.48 52.61,28.06 52.61,33.28 54.02,34.69 54.02,42.37 54.92,43.28 54.92,54.51 54.92,54.51 54.92,59.87 50.52,64.27 50.52,77.7 52.36,79.54 v1(52.36,81.78)
  Bottom w0.2: v1(52.36,81.78) 52.37,81.79 52.37,82.09 53.06,82.78 54.56,82.78 55.56,83.77 55.56,89.77 56.77,90.99 56.77,93.4
/IN_HALL1: length 64.2
  Top w0.2: M8.S4 50.36,42.08 50.86,42.58 50.86,43.68 51.76,44.58 51.76,53.2 51.76,53.21 51.76,58.56 43.76,66.56 43.76,75.57 42.31,77.02 42.31,77.03 39.26,80.07 39.26,81.57 38.36,82.48 35.86,82.48 35.27,83.07 35.27,94.59 33.91,95.94
/IN_HALL2: length 65
  Top w0.2: M8.S3 49.96,43.28 51.41,44.73 51.41,52.19 51.41,53.06 51.41,53.06 51.41,58.42 43.41,66.42 43.41,75.42 39.56,79.27 39.56,79.28 38.91,79.92 38.91,81.42 38.21,82.13 33.21,82.13 32.89,82.44 32.89,94.42 31.37,95.94
/IN_HALL3: length 64.7
  Top w0.2: 28.83,95.94 30.06,94.71 30.06,92.78 32.54,90.3 32.54,82.3 33.06,81.78 38.06,81.78 38.56,81.28 38.56,79.78 43.06,75.28 43.06,66.27 51.06,58.27 51.06,52.91 51.06,52.91 51.06,52.04 51.06,45.28 50.26,44.48 M8.S2
/IN_IAT: length 75.9
  Top w0.2: 51.69,93.4 51.69,92.14 52.88,90.95 52.88,83.82 53.76,82.94 53.76,62.52 55.97,60.31 55.97,60.02 55.97,54.95 55.97,54.95 55.97,52.33 55.97,42.84 55.07,41.94 55.07,34.25 53.67,32.85 53.67,25.51 51.03,22.87 M8.S20
/IN_KNOCK: length 2.4
  Bottom w0.2: M2.E3 73.56,23.28 73.51,23.22 72.61,23.22 72.2,23.64 R6.1
/IN_KNOCK_RAW: length 77.5
  In1.Cu w0.2: M2.W1 74.56,33.28 73.56,34.28 73.56,77.28 70.56,80.28 70.56,97.28 69.56,98.28 62.56,98.28 61.85,97.57 61.85,95.94
/IN_MAP: length 81.6
  Top w0.2: M8.S13 51.06,31.28 51.56,31.78 51.56,33.72 52.97,35.12 52.97,42.81 53.87,43.71 53.87,54.08 53.87,54.08 53.87,59.44 49.46,63.84 49.46,78.18 50.24,78.95 v1(50.24,81.07)
  Bottom w0.2: v1(50.24,81.07) 50.24,81.11 49.77,81.57 48.76,81.57 47.06,83.28 46.06,83.28 45.56,83.78 45.56,88.28 42.93,90.9 42.93,96.47 42.13,97.28 37.87,97.28 J7.69
/IN_PPS1: length 76.4
  Top w0.2: 49.15,93.4 49.14,93.39 49.14,92.19 50.64,90.7 50.64,84.02 51.38,83.28 51.77,83.28 52.93,83.28 53.41,82.79 53.41,62.37 55.62,60.16 55.62,59.87 55.62,54.81 55.62,54.8 55.62,52.48 55.62,42.98 54.72,42.08 54.72,34.4 53.32,32.99 53.32,26.4 50.99,24.07 M8.S19
/IN_PPS2: length 60.6
  Top w0.2: M8.S8 50.77,37.28 51.56,38.06 51.56,39.78 51.56,39.78 51.56,43.39 52.46,44.29 52.46,53.49 52.46,53.5 52.46,58.85 48.06,63.26 48.06,80.81 48.06,80.81 48.06,81.52 48.06,90.78 46.56,92.28 46.56,93.35 46.61,93.4
/IN_TPS1: length 77.6
  Top w0.2: M8.S18 50.98,25.27 52.96,27.26 52.96,33.14 54.37,34.54 54.37,42.23 55.27,43.13 55.27,52.91 55.27,54.66 55.27,54.66 55.27,60.02 53.06,62.23 53.06,82.65 52.79,82.92 51.62,82.92 51.62,82.93 50.96,82.93 v1(50.96,82.93)
  Bottom w0.2: 49.15,95.94 50.71,94.39 50.71,83.63 50.96,83.38 v1(50.96,82.93)
/IN_TPS2: length 68
  Top w0.2: 50.25,82.93 49.21,82.93 48.41,82.13 48.41,81.37 48.41,81.37 48.41,80.86 48.41,80.86 48.41,78.27 48.41,63.4 52.81,59 52.81,53.64 ; M8.S9 50.86,36.08 51.91,37.13 51.91,38.85 51.91,38.86 51.91,39.63 51.91,39.63 51.91,43.25 52.82,44.15 52.82,53.64 ; 52.82,53.64 52.81,53.64
  Bottom w0.2: v1(50.29,82.93) 50.36,82.99 50.36,94.24 49.82,94.78 47.78,94.78 46.61,95.94
/IN_VIGN: length 6.3
  Bottom w0.5: 94.09,55.47 94.09,56.03 92.48,57.64 89.62,57.64 89.22,58.04
/IN_VMAIN: length 86.9
  In1.Cu w0.2: v1(98.56,55.28) 98.56,65.28 97.99,65.84 95.56,65.84 94.99,65.28 v2(94.56,65.28)
  In2.Cu w0.2: M8.S6 51.46,39.68 52.78,41 v1(56.18,41)
  Bottom w0.2: v1(98.56,55.28) 97.53,54.25 97.53,38.37 96.59,37.42 83.71,37.42 82.56,36.28 82.56,36.28 82.21,35.92 76.35,35.92 74.71,37.57 74.71,39.79 73.5,41 v1(56.18,41) ; R3.2 v2(94.56,65.28) R2.1
/INJ1: length 60.6
  Bottom w0.2: R29.2 3.68,79.39 3.06,78.78 1.06,78.78 0.6,78.32 0.6,75.82 0.6,53.83 2.71,51.72 10.51,51.72 12.63,53.84 26.13,53.84 26.66,53.31 M8.E17
  Bottom w0.5: U10.3 3.64,80.97 R29.2
/INJ2: length 63.5
  Bottom w0.2: R30.2 6.68,79.9 6.44,79.65 4.44,79.65 3.21,78.42 1.21,78.42 0.95,78.17 0.95,53.97 2.85,52.07 10.36,52.07 12.48,54.19 26.71,54.19 27.46,53.44 M8.E16
  Bottom w0.5: R30.2 6.18,81.43 U10.1
/INJ3: length 48.7
  Bottom w0.2: M8.E15 28.26,53.58 27.3,54.54 12.34,54.54 10.22,52.42 3,52.42 1.3,54.12 1.3,66.52 2.41,67.63 3.41,67.63 3.68,67.9 R31.2
  Bottom w0.5: 3.64,70.95 3.64,68.94 R31.2
/INJ4: length 51.6
  Bottom w0.2: R32.2 6.68,67.9 6.06,67.28 2.56,67.28 1.65,66.37 1.65,54.26 3.14,52.78 10.06,52.78 10.56,53.28 10.57,53.28 12.19,54.89 27.44,54.89 29.06,53.28 M8.E14
  Bottom w0.5: 6.18,70.95 6.18,69.4 R32.2
/INTERNAL_MAP: length 32.5
  Top w0.2: U3.1 67.34,23.5 65.53,25.31 61.03,25.31 56.46,29.88 56.46,32.08 v1(56.6,32.22)
  Top w0.5: U3.1 66.55,15.27 67.56,16.28 67.56,22.08 67.36,22.28 U3.1
  Bottom w0.2: v1(56.6,32.22) 50.6,32.22 50.35,32.48 M8.S12
/LS1: length 17.6
  Top w0.2: 19.83,60.54 v2(19.83,56.93)
  Bottom w0.2: v2(19.83,56.93) 19.91,56.93 21.23,55.61 27.23,55.61 28.71,54.13 28.71,54.12 29.25,53.58 30.87,53.58 31.46,53 M8.E11
/LS2: length 24.2
  Top w0.2: 19.83,63.08 19.88,63.13 22.71,63.13 23.06,62.78 23.06,56.64 22.53,56.11 v1(21.56,56.11)
  Bottom w0.2: M8.E10 32.26,53.39 31.72,53.93 29.4,53.93 29.06,54.27 29.06,54.27 27.37,55.96 27.37,55.96 27.22,56.11 v1(21.56,56.11)
/LS3: length 22.3
  Top w0.2: M8.E18 25.26,52.98 25.81,53.52 29.76,53.52 30.41,54.17 v1(30.41,54.44)
  Bottom w0.2: U8.1 23.29,63.08 23.91,62.46 23.91,59.92 27.03,56.81 28.04,56.81 v1(30.41,54.44)
/LS4: length 19.1
  Top w0.2: M8.E19 24.46,53.56 25.19,54.29 29.14,54.29 29.29,54.44 v1(29.6,54.44)
  Bottom w0.2: v1(29.6,54.44) 29.58,54.44 27.56,56.46 26.88,56.46 23.66,59.68 R13.2 21.47,60.54 U8.3
/LS_HOT1: length 69.9
  Top w0.2: v1(4.56,53.78) 5.35,53.78 5.79,53.78 9.91,49.65 9.91,43.48 11.11,42.27 11.11,41.91 11.12,41.91 11.12,18.99 11.86,18.24 11.86,18.23 13.73,16.35 33.64,16.35 34.26,16.97 M8.W4
  Bottom w0.2: R16.1 3.66,55.9 3.68,55.92 ; R16.1 4.2,55.9 4.56,55.54 v1(4.56,53.78) ; R16.1 3.68,55.92 ; 3.68,55.92 3.93,56.17 U6.3
/LS_HOT2: length 71.2
  Top w0.2: M8.W3 35.26,16.98 34.29,16 13.59,16 11.51,18.08 11.51,18.09 10.76,18.84 10.76,41.76 10.76,41.76 10.76,42.13 9.56,43.33 9.56,49.51 5.79,53.28 v1(5.06,53.28)
  Bottom w0.2: v1(5.06,53.28) 5.06,55.52 5.44,55.9 6.25,55.9 R15.1 6.47,56.12 U6.1
/MISO3: length 45.5
  Top w0.2: M8.N11 12.96,43.88 12.06,44.78 12.06,53.27 14.06,55.28 22.2,55.28 24.32,57.4 37.08,57.4 37.94,58.26 37.94,58.27 38.26,58.58 38.26,58.87 38.48,59.09 v2(38.48,60.31)
  Bottom w0.2: U4.7 38.96,62.34 38.48,61.86 v2(38.48,60.31)
/MODULE_CAN_H: length 60.7
  Top w0.2: M7.S2 57.65,39.69 57.56,39.78 57.56,39.78 56.68,40.66 56.68,52.04 56.68,55.24 56.68,55.24 56.68,76.66 v1(56.56,76.78)
  Bottom w0.2: v1(56.56,76.78) 57.06,76.78 58.06,77.78 58.06,77.78 63.06,82.78 65.06,82.78 65.58,83.3 65.58,90.75 64.39,91.94 64.39,93.4
